# Altium PCB UZ_D_Encoder.PcbDoc (part 4 of 5) (continued)
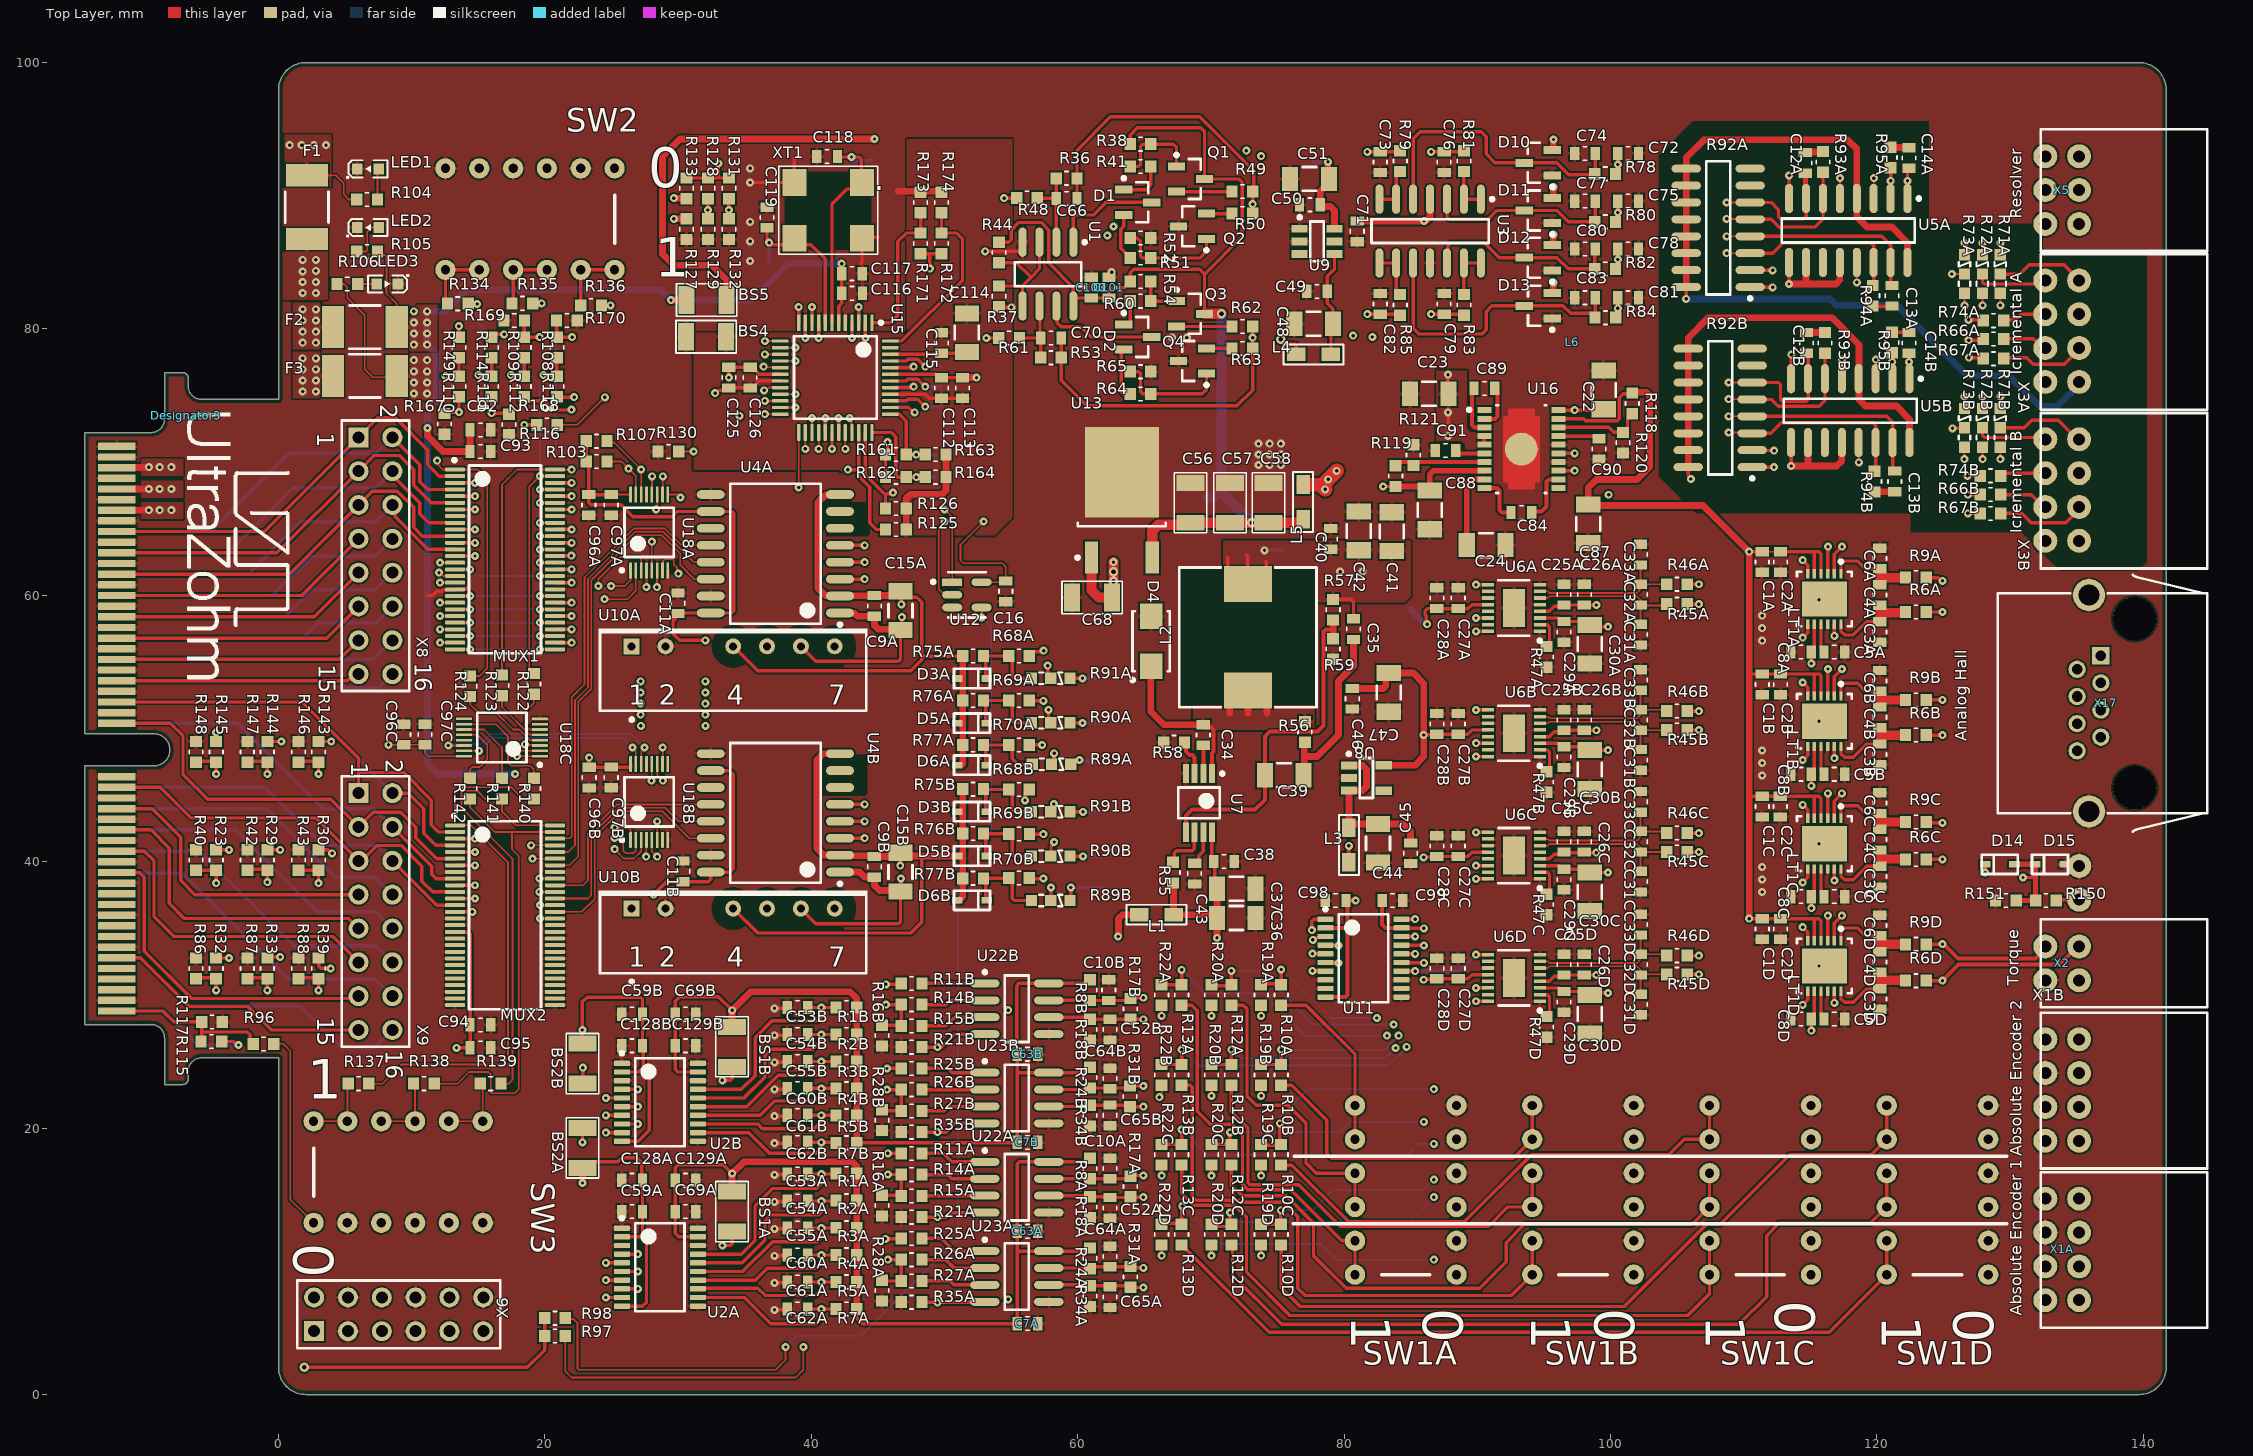
[diagram p0: Top Layer view]
## Nets (pads, with @x,y where several pads share a name; then routed paths per layer and width w, separated by ;. In a path a pad name is that pad's centre, name@x,y a point inside that pad or via, vN(x,y) a via of type N, cw(c..) or ccw(c..) an arc to the next point about the centre after c; other vN are vias at no path point) (continued)
INCRIN1A: R71A.2 X3A.1 | length 6.9
  Top Layer w0.25: R71A.2@129.272,84.105 130.72,84.105 131.445,84.83 134.048,84.83 X3A.1@135.347,83.531
INCRIN1B: R71B.2 X3B.1 | length 7.2
  Top Layer w0.25: R71B.2@129.272,72.578 131.08,72.578 131.638,73.137 133.63,73.137 134.468,72.3 134.587,72.3 135.016,71.871 135.016,71.752 X3B.1@135.458,71.31
INCRIN2A: R72A.2 X3A.2 | length 6.1
  Top Layer w0.25: R72A.2@127.925,84.105 127.925,83.527 128.072,83.381 132.646,83.381 X3A.2@133.148,83.883
INCRIN2B: R72B.2 X3B.2 | length 5.4
  Top Layer w0.25: R72B.2@127.925,72.578 127.925,72 128.072,71.853 128.325,71.853 X3B.2@132.646,71.853
INCRIN3A: R73A.2 X3A.3 | length 12.6
  Top Layer w0.127: v1(125.624,84.125) R73A.2@126.578,84.125
  Top Layer w0.25: R73A.2@126.523,84.049 R73A.2@126.578,84.105
  GND w0.254: v1(125.624,84.125) 130.275,84.125 132.015,82.385 134.224,82.385 X3A.3@135.779,80.83
INCRIN3B: R73B.2 X3B.3 | length 12.5
  Top Layer w0.25: v1(125.675,72.535) 126.535,72.535 R73B.2@126.578,72.578
  GND w0.25: v1(125.675,72.535) 129.415,72.535 131.517,70.433 133.9,70.433 X3B.3@135.639,68.693
INCRIN4A: R74A.2 X3A.4 | length 3.6
  Top Layer w0.25: R74A.2@129.388,80.692 130.425,80.692 130.843,81.11 132.507,81.11 X3A.4@132.735,80.882
INCRIN4B: R74B.2 X3B.4 | length 3.3
  Top Layer w0.25: R74B.2@129.388,68.98 129.584,69.175 X3B.4@132.646,69.175
INCRIN5A: R67A.1 X3A.5 | length 7
  Top Layer w0.25: R67A.1@129.388,77.849 131.237,77.849 131.745,77.341 134.077,77.341 X3A.5@135.546,78.81
INCRIN5B: R67B.1 X3B.5 | length 6.6
  Top Layer w0.25: R67B.1@129.388,66.155 130.872,66.155 131.572,65.455 134.197,65.455 X3B.5@135.283,66.541
INCRIN6A: R66A.1 X3A.6 | length 3.4
  Top Layer w0.25: R66A.1@129.388,79.271 131.751,79.271 X3A.6@132.451,78.57
INCRIN6B: R66B.1 X3B.6 | length 3.8
  Top Layer w0.25: R66B.1@129.388,67.555 131.573,67.555 X3B.6@132.745,66.383
LED5: LED2.2 R105.1 | length 3.2
  Top Layer w0.127: R105.1@5.87,85.819 6.57,85.819 6.645,85.893 6.645,87.306 6.956,87.617 LED2.2@7.506,87.617
LED33: LED3.2 R106.1 | length 1.4
  Top Layer w0.127: R106.1@5.931,83.38 LED3.2@7.368,83.38
LEDIN: LED1.2 R104.1 | length 2.3
  Top Layer w0.127: R104.1@7.42,89.715 7.42,91.929 LED1.2@7.506,92.015
LM5007_BST: C34.1 U7.2 | length 2.1
  Top Layer w0.3: U7.2@69.425,46.62 C34.1@69.425,48.737
LM5007_CL: C34.2 D4.1 L2.1 R56.1 U7.1 | length 19.4
  Top Layer w0.3: C34.2@69.425,50.287 69.625,50.087 70.026,50.087 70.202,49.911 70.202,48.272 70.075,48.145 U7.1@70.075,46.62
  Top Layer w0.508: D4.1@65.512,54.666 65.488,54.642 65.488,51.262 66.463,50.287 C34.2@69.425,50.287 ; 71.405,51.145 71.405,51.749 72.501,52.845 L2.1@72.775,52.845 ; 72.775,51.145 L2.1@72.775,52.845 ; 74.21,51.145 74.21,52.643 74.061,52.791 73.998,52.855 73.355,53.154 73.242,53.154 73.032,53.154 72.883,53.005 72.749,52.871 L2.1@72.775,52.845
LM5007_FB: C39.1 R57.1 R59.2 U7.5 | length 26.4
  Top Layer w0.3: U7.5@68.125,42.22 68.125,43.461 68.576,43.912 73.312,43.912 74.05,44.65 C39.1@74.05,46.495 74.05,49.398 74.415,49.763 77.993,49.763 78.452,50.222 78.452,54.651 78.448,54.655 78.448,57.269 78.624,57.445 79.175,57.445
  Top Layer w0.508: R59.2@79.175,56.745 79.175,57.445 R57.1@79.175,58.145
LM5007_RCL: R58.2 U7.3 | length 2.8
  Top Layer w0.3: R58.2@68.012,48.97 68.125,48.857 68.125,48.27 68.383,48.012 68.599,48.012 68.775,47.836 U7.3@68.775,46.62
LM5007_RON: R55.2 U7.6 | length 3.6
  Top Layer w0.254: R55.2@67.162,39.955 67.237,40.03 67.237,40.668 67.386,40.817 68.597,40.817 68.746,40.965 68.746,42.191 U7.6@68.775,42.22
LM5007_RSW: C35.2 C39.2 R56.2 | length 13.4
  Top Layer w0.5: C39.2@76.95,46.495 77,46.545 77,47.898 ; R56.2@77.05,48.97 77,48.92 77,47.898 ; C35.2@80.7,56.686 80.7,54.698 79.572,53.57 79.572,49.512 77.957,47.898 77,47.898
LM5007_VCC: C43.2 U7.7 | length 2.7
  Top Layer w0.254: C43.2@68.775,39.88 68.857,39.88 69.08,40.103 69.08,40.455 69.425,40.8 U7.7@69.425,42.22
LOT: R125.2 U12.1 U15.34 U18A.9 | length 39.9
  Top Layer w0.127: U18A.9@29.225,67.575 29.949,67.575 v1(30.171,67.353) ; v1(49.999,66.454) 50.574,65.878 U12.1@50.574,60.991
  Top Layer w0.25: U15.34@43.55,72.225 43.55,69.383 43.55,68.943 44.384,68.108 44.384,65.449 44.883,64.95 R125.2@45.568,64.95
  Top Layer w0.254: v1(42.739,69.433) 43.5,69.433 43.55,69.383
  VCC w0.127: v1(30.171,67.353) 30.171,69.628 30.298,69.756 42.368,69.756 42.692,69.433 v1(42.739,69.433) 45.099,69.433 48.078,66.454 v1(49.999,66.454) v1@50.297,66.454
LT2311_REFINA: R47A.2 U6A.2 | length 2.4
  Top Layer w0.25: U6A.2@94.691,57.804 94.701,57.794 95.269,57.794 95.416,57.647 95.416,56.374 R47A.2@95.195,56.153
LT2311_REFINB: R47B.2 U6B.2 | length 2.4
  Top Layer w0.25: U6B.2@94.691,48.398 94.701,48.388 95.269,48.388 95.416,48.241 95.416,46.968 R47B.2@95.195,46.747
LT2311_REFINC: R47C.2 U6C.2 | length 2.4
  Top Layer w0.25: U6C.2@94.691,39.212 94.701,39.202 95.269,39.202 95.416,39.055 95.416,37.782 R47C.2@95.195,37.561
LT2311_REFIND: R47D.2 U6D.2 | length 2.4
  Top Layer w0.25: U6D.2@94.691,30.026 94.701,30.016 95.269,30.016 95.416,29.869 95.416,28.596 R47D.2@95.195,28.375
N_EXC: R48.2 TP12.1 U15.39 | length 30.4
  Top Layer w0.25: U15.39@45.925,74.6 47.118,74.6 47.239,74.721 47.998,74.721 v1(48.55,74.169) ; v1(54.473,89.828) R48.2@55.413,89.828
  GND w0.25: v1(48.55,74.169) 48.483,74.102 48.483,73.684 47.989,73.19 47.531,73.19 45.896,74.825 45.896,85.976 49.748,89.828 v1(54.473,89.828)
  Bottom Layer w0.25: v1(48.55,74.169) TP12.1@49.775,74.169
N_EXC_AMP_O: D1.3 U1.1 | length 8.2
  Top Layer w0.25: U1.1@59.665,86.52 59.665,88.368 59.86,88.563 61.194,88.563 62.144,89.513 D1.3@65.561,89.513
N_EXC_DRV_IN_H: Q1.1 R38.1 R41.2 | length 6.5
  Top Layer w0.25: R41.2@63.938,92.203 64.567,92.203 64.713,92.349 64.713,93.731 64.86,93.878 R38.1@65.488,93.878 67.172,93.878 67.418,93.631 Q1.1@67.418,92.213
N_EXC_DRV_IN_L: Q2.1 R51.2 R52.1 | length 8.1
  Top Layer w0.254: R52.1@63.938,86.828 64.481,86.828 64.713,86.595 64.713,85.477 64.862,85.328 R51.2@65.488,85.328 69.143,85.328 69.673,85.858 69.673,86.072 69.663,86.082 Q2.1@69.663,86.763
N_EXC_F: C66.1 R36.1 R48.1 U1.2 | length 6.2
  Top Layer w0.25: R48.1@56.963,89.828 58.363,89.828 C66.1@58.388,89.803 ; U1.2@58.395,86.52 58.392,86.523 58.392,89.8 C66.1@58.388,89.803 ; R36.1@58.395,91.313 58.388,91.306 C66.1@58.388,89.803
N_EXC_FB_LINE_H: D1.1 R41.1 | length 3.6
  Top Layer w0.254: D1.1@63.461,90.463 65.136,90.463 65.488,90.815 R41.1@65.488,92.203
N_EXC_FB_LINE_L: D1.2 R51.1 | length 3.6
  Top Layer w0.254: D1.2@63.461,88.563 63.461,87.725 63.238,87.502 63.238,86.053 63.938,85.353 R51.1@63.938,85.328
NetMUX1_3: MUX1.3 U2B.7 | length 61.4
  Top Layer w0.25: MUX1.3@13.25,68.45 v1(14.75,68.45) ; v1(24.573,20.962) U2B.7@25.773,20.962
  GND w0.127: v1(14.75,68.45) 17.45,65.75 17.45,53.427 16.973,52.95 16.973,45.248 17.578,44.643 17.578,30.523 21.234,26.867 21.234,23.336 21.658,22.912 24.742,22.912 25.454,22.2 27.275,22.2 27.463,22.012 27.463,21.409 27.176,21.121 24.86,21.121 24.701,20.962 v1(24.573,20.962)
NetMUX1_5: MUX1.5 U2B.5 | length 53.9
  Top Layer w0.25: MUX1.5@13.25,67.45 v1(14.75,67.45) ; v1(24.573,22.262) U2B.5@25.773,22.262
  GND w0.127: v1(14.75,67.45) 17.196,65.004 17.196,53.532 16.719,53.055 16.719,45.143 17.324,44.537 17.324,30.418 20.98,26.762 20.98,23.231 21.949,22.262 v1(24.573,22.262)
NetMUX1_7: MUX1.7 U2B.6 | length 55.8
  Top Layer w0.25: MUX1.7@13.25,66.45 v1(14.75,66.45) ; U2B.6@25.773,21.612 v1(26.973,21.612)
  GND w0.127: v1(14.75,66.45) 16.942,64.258 16.942,53.637 16.465,53.16 16.465,45.038 17.07,44.432 17.07,30.313 20.726,26.657 20.726,23.125 22.239,21.612 v1(26.973,21.612)
NetMUX1_10: MUX1.10 U2B.4 | length 58
  Top Layer w0.25: MUX1.10@13.25,64.95 v1(14.75,64.95) ; U2B.4@25.773,22.912 v1(26.973,22.912)
  GND w0.127: v1(14.75,64.95) 16.688,63.012 16.688,53.743 16.211,53.266 16.211,44.932 16.816,44.327 16.816,30.207 20.472,26.552 20.472,23.02 23.021,20.472 25.106,20.472 25.502,20.867 27.281,20.867 27.717,21.304 27.717,22.167 v1(26.973,22.912)
NetMUX1_12: MUX1.12 U2B.8 | length 54.3
  Top Layer w0.25: MUX1.12@13.25,63.95 v1(14.75,63.95) ; U2B.8@25.773,20.312 v1(26.973,20.312)
  GND w0.127: v1(14.75,63.95) 16.434,62.266 16.434,53.848 15.957,53.371 15.957,44.827 16.562,44.222 16.562,30.102 20.218,26.447 20.218,22.915 22.915,20.218 26.662,20.218 26.666,20.221 26.882,20.221 v1(26.973,20.312)
NetMUX1_14: MUX1.14 U2B.9 | length 51.3
  Top Layer w0.25: MUX1.14@13.25,62.95 v1(14.75,62.95) ; v1(24.573,19.662) U2B.9@25.773,19.662
  GND w0.127: v1(14.75,62.95) 16.18,61.52 16.18,53.953 15.703,53.476 15.703,44.722 16.308,44.117 16.308,29.997 19.964,26.341 19.964,22.81 23.112,19.662 v1(24.573,19.662)
NM: R109.2 R169.2 U15.31 | length 29.5
  Top Layer w0.25: R169.2@18.468,80.638 18.443,80.613 R109.2@18.443,79.39 v1(19.594,79.39) ; U15.31@42.05,72.225 v1(42.05,73.3)
  VCC w0.127: v1(19.594,79.39) 20.623,79.39 21.113,79.88 22.246,79.88 29.571,72.556 41.306,72.556 v1(42.05,73.3)
OP_OUTA_N: LT1A.7 R46A.1 | length 11.5
  Top Layer w0.25: R46A.1@105.762,60.835 v1(106.634,60.835) ; v1(114.427,56.82) 114.8,57.193 LT1A.7@114.8,57.833
  VCC w0.25: v1(106.634,60.835) 110.412,60.835 v1(114.427,56.82)
OP_OUTA_P: LT1A.6 R45A.1 | length 11.2
  Top Layer w0.25: R45A.1@105.762,59.335 v1(106.634,59.335) ; v1(114.427,62.645) 114.8,62.272 LT1A.6@114.8,61.633
  GND w0.25: v1(106.634,59.335) 111.117,59.335 v1(114.427,62.645)
OP_OUTB_N: LT1B.7 R46B.1 | length 11.4
  Top Layer w0.25: R46B.1@105.762,51.308 v1(106.634,51.308) ; v1(114.427,47.634) 114.8,48.007 LT1B.7@114.8,48.646
  VCC w0.25: v1(106.634,51.308) 110.753,51.308 v1(114.427,47.634)
OP_OUTB_P: LT1B.6 R45B.1 | length 11.3
  Top Layer w0.25: R45B.1@105.762,49.898 v1(106.634,49.898) ; v1(114.427,53.459) 114.8,53.086 LT1B.6@114.8,52.446
  GND w0.25: v1(106.634,49.898) 110.866,49.898 v1(114.427,53.459)
OP_OUTC_N: LT1C.7 R46C.1 | length 11.4
  Top Layer w0.25: R46C.1@105.762,42.15 v1(106.634,42.15) ; v1(114.427,38.448) 114.8,38.821 LT1C.7@114.8,39.46
  VCC w0.25: v1(106.634,42.15) 110.725,42.15 v1(114.427,38.448)
OP_OUTC_P: LT1C.6 R45C.1 | length 11.3
  Top Layer w0.25: R45C.1@105.762,40.728 v1(106.634,40.728) ; v1(114.427,44.273) 114.8,43.9 LT1C.6@114.8,43.26
  GND w0.25: v1(106.634,40.728) 110.833,40.728 114.378,44.273 v1(114.427,44.273)
OP_OUTD_N: LT1D.7 R46D.1 | length 11.4
  Top Layer w0.25: R46D.1@105.762,32.949 v1(106.634,32.949) ; v1(114.427,29.262) 114.8,29.635 LT1D.7@114.8,30.274
  VCC w0.25: v1(106.634,32.949) 110.74,32.949 v1(114.427,29.262)
OP_OUTD_P: LT1D.6 R45D.1 | length 11.3
  Top Layer w0.25: R45D.1@105.762,31.549 v1(106.634,31.549) ; v1(114.427,35.087) 114.8,34.714 LT1D.6@114.8,34.074
  GND w0.25: v1(106.634,31.549) 110.889,31.549 v1(114.427,35.087)
OVCC: C8A.1 C8B.1 C8C.1 C8D.1 C27A.1 C27B.1 C27C.1 C27D.1 C28A.2 C28B.2 C28C.2 C28D.2 C46.1 C47.2 C99.1 LT1A.8 LT1B.8 LT1C.8 LT1D.8 TP17.1 U6A.12 U6B.12 U6C.12 U6D.12 U8.5 U11.19 | length 141.7
  Top Layer w0.25: v1(85.975,31.14) 86.01,31.175 86.93,31.175 C28D.2@86.965,31.209 C27D.1@88.56,31.209 89.291,31.209 89.608,31.526 U6D.12@90.791,31.526 ; v1(85.975,40.326) 86.01,40.361 86.93,40.361 C28C.2@86.965,40.395 C27C.1@88.56,40.395 89.291,40.395 89.608,40.712 U6C.12@90.791,40.712 ; v1(85.975,49.512) 86.01,49.547 86.93,49.547 C28B.2@86.965,49.581 C27B.1@88.56,49.581 89.291,49.581 89.608,49.898 U6B.12@90.791,49.898 ; v1(86.239,57.832) 86.172,57.899 86.172,58.431 86.077,58.527 86.077,58.849 86.236,59.009 86.954,59.009 C28A.2@86.965,59.019 ; C28A.2@86.965,58.987 88.56,58.987 89.291,58.987 89.608,59.304 U6A.12@90.791,59.304 ; v1(115.075,27.323) C8D.1@115.075,28.195 115.3,28.42 LT1D.8@115.3,30.274 ; v1(115.075,36.509) C8C.1@115.075,37.381 115.3,37.606 LT1C.8@115.3,39.46 ; v1(115.075,45.695) C8B.1@115.075,46.567 115.3,46.792 LT1B.8@115.3,48.646 ; v1(115.075,54.882) C8A.1@115.075,55.753 115.3,55.978 LT1A.8@115.3,57.833
  Top Layer w0.254: U11.19@84.3,35.034 84.32,35.014 85.967,35.014 v1(85.987,34.995)
  Top Layer w0.3: C99.1@82.854,37.091 82.854,35.28 83.1,35.034 U11.19@84.3,35.034
  Top Layer w0.508: C46.1@80.617,53.012 82.962,53.012 83.125,53.175 83.125,53.944 C47.2@83.342,54.162 85.196,54.162 85.975,53.383 v1(85.975,49.512) 85.975,47.898 85.314,47.237 U8.5@82.977,47.237
  GND w0.508: v1(85.975,31.14) 89.792,27.323 v1(115.075,27.323)
  VCC w0.254: v1(115.075,27.323) v1(115.075,36.509) v1(115.075,45.695) v1(115.075,54.882)
  VCC w0.508: v1(85.975,31.14) 86.737,31.902 86.737,34.995 ; v1(85.987,34.995) 86.737,34.995 ; v1(86.239,57.832) 86.229,57.822 86.229,56.77 85.975,56.516 v1(85.975,49.512) v1(85.975,40.326) 86.737,39.564 86.737,34.995
  Bottom Layer w0.508: TP17.1@84.992,58.95 86.093,57.85 86.222,57.85 v1(86.239,57.832)
P0C: R124.1 U18C.4 | length 6.9
  Top Layer w0.127: R124.1@14.375,52.401 14.375,51.826 15.025,51.176 16.349,51.176 17.599,49.926 18.069,49.926 18.869,49.126 U18C.4@19.616,49.126
P1C: R123.1 U18C.5 | length 4.6
  Top Layer w0.127: R123.1@16.766,52.473 16.766,51.622 18.862,49.526 U18C.5@19.616,49.526
P2C: R122.1 U18C.6 | length 3.8
  Top Layer w0.127: R122.1@19.158,52.582 19.158,51.907 18.527,51.276 18.527,50.221 18.822,49.926 U18C.6@19.616,49.926
P3B: U18B.7
P3C: U18C.7
P4B: U18B.9
P4C: U18C.9
P5C: R140.1 U18C.10 | length 8.5
  Top Layer w0.127: U18C.10@13.916,50.326 16.324,50.326 17.216,49.434 17.216,47.476 17.485,47.208 18.89,47.208 19.158,46.94 R140.1@19.158,46.265
P6C: R141.1 U18C.11 | length 5.7
  Top Layer w0.127: U18C.11@13.916,49.926 15.423,49.926 16.766,48.583 R141.1@16.766,46.265
P7C: R142.1 U18C.12 | length 5.4
  Top Layer w0.127: U18C.12@13.916,49.526 14.925,49.526 15.675,48.776 15.675,47.689 15.101,47.115 14.55,47.115 14.375,46.94 R142.1@14.375,46.265
PGA_ANALOG0A: R10A.1 SW1A.5 SW1A.6 | length 13.5
  Top Layer w0.254: R10A.1@75.274,29.225 77.136,29.225 80.819,25.542 SW1A.5@80.819,19.16
PGA_ANALOG0B: R10B.1 SW1B.5 SW1B.6 | length 25.7
  Top Layer w0.254: R10B.1@75.274,23.225 76.068,23.225 78.692,20.601 78.692,18.127 79.072,17.747 92.713,17.747 SW1B.5@94.126,19.16 SW1B.6@94.126,21.7
PGA_ANALOG0C: R10C.1 SW1C.5 SW1C.6 | length 39
  Top Layer w0.254: R10C.1@75.274,17.225 76.077,17.225 80.309,12.993 89.062,12.993 94.069,18 104.375,18 105.535,19.16 SW1C.5@107.433,19.16 SW1C.6@107.433,21.7
PGA_ANALOG0D: R10D.1 SW1D.5 SW1D.6 | length 57
  Top Layer w0.254: R10D.1@75.274,11.225 75.274,8.027 76.694,6.607 101.04,6.607 107.208,12.775 108.246,12.775 113.471,18 119.58,18 SW1D.5@120.74,19.16 SW1D.6@120.74,21.7
PGA_ANALOG1A: R12A.1 SW1A.3 SW1A.4 | length 22.6
  Top Layer w0.254: R12A.1@71.537,29.225 72.442,29.225 72.709,28.958 72.709,22.386 73.387,21.708 75.785,21.708 77.136,20.357 77.136,17.384 77.9,16.62 SW1A.4@80.819,16.62 SW1A.3@80.819,14.08
PGA_ANALOG1B: R12B.1 SW1B.3 SW1B.4 | length 33.7
  Top Layer w0.254: R12B.1@71.537,23.225 71.537,21.228 72.785,19.98 72.785,15.899 72.934,15.75 76.595,15.75 79.733,12.612 90.81,12.612 92.278,14.08 SW1B.3@94.126,14.08 SW1B.4@94.126,16.62
PGA_ANALOG1C: R12C.1 SW1C.3 SW1C.4 | length 48
  Top Layer w0.254: R12C.1@71.537,17.225 71.537,15.715 72.342,14.91 75.66,14.91 77.7,12.87 77.7,10.425 80.158,7.967 90.173,7.967 92.161,9.955 92.161,11.404 93.532,12.775 106.128,12.775 SW1C.3@107.433,14.08 SW1C.4@107.433,16.62
PGA_ANALOG1D: R12D.1 SW1D.3 SW1D.4 | length 61.8
  Top Layer w0.254: R12D.1@71.537,11.225 71.619,11.143 71.619,8.967 75.317,5.269 109.644,5.269 111.725,7.35 111.725,11.936 112.639,12.85 119.51,12.85 SW1D.3@120.74,14.08 SW1D.4@120.74,16.62
PGA_ANALOG2A: R13A.1 SW1A.1 SW1A.2 | length 29.5
  Top Layer w0.254: R13A.1@67.8,29.225 68.576,29.225 68.981,28.82 68.981,21.274 69.95,20.305 71.592,20.305 72.368,19.529 72.368,15.777 72.776,15.369 75.981,15.369 79.81,11.54 SW1A.2@80.819,11.54 SW1A.1@80.819,9
PGA_ANALOG2B: R13B.1 SW1B.1 SW1B.2 | length 44
  Top Layer w0.254: R13B.1@67.8,23.225 68.451,23.225 68.6,23.076 68.6,14.866 68.875,14.591 72.071,14.591 72.217,14.445 75.412,14.445 76.528,13.329 76.528,7.99 77.084,7.434 92.56,7.434 SW1B.1@94.126,9 SW1B.2@94.126,11.54
PGA_ANALOG2C: R13C.1 SW1C.1 SW1C.2 | length 52.6
  Top Layer w0.254: R13C.1@67.8,17.225 67.8,15.127 68.717,14.21 71.77,14.21 72.671,13.309 72.671,9.171 75.91,5.932 105.79,5.932 107.433,7.575 SW1C.1@107.433,9 SW1C.2@107.433,11.54
PGA_ANALOG2D: R13D.1 SW1D.1 SW1D.2 | length 60
  Top Layer w0.254: R13D.1@67.8,11.225 67.825,11.225 74.379,4.671 116.411,4.671 SW1D.1@120.74,9 SW1D.2@120.74,11.54
PGA_CAPA: C5A.1 LT1A.9 | length 2.2
  Top Layer w0.127: C5A.1@115.8,55.978 C5A.1@116.025,55.753
  Top Layer w0.25: C5A.1@115.8,55.978 LT1A.9@115.8,57.833
PGA_CAPB: C5B.1 LT1B.9 | length 2.2
  Top Layer w0.127: C5B.1@115.8,46.792 C5B.1@116.025,46.567
  Top Layer w0.25: C5B.1@115.8,46.792 LT1B.9@115.8,48.646
PGA_CAPC: C5C.1 LT1C.9 | length 2.2
  Top Layer w0.127: C5C.1@115.8,37.606 C5C.1@116.025,37.381
  Top Layer w0.25: C5C.1@115.8,37.606 LT1C.9@115.8,39.46
PGA_CAPD: C5D.1 LT1D.9 | length 2.2
  Top Layer w0.127: C5D.1@115.8,28.42 C5D.1@116.025,28.195
  Top Layer w0.25: C5D.1@115.8,28.42 LT1D.9@115.8,30.274
PGA_DIGITAL01: R19A.1 U18A.4 | length 78.1
  Top Layer w0.127: v1(27.607,60.624) 27.616,60.633 U18A.4@27.616,61.866 ; v1(73.774,28.425) 73.774,28.55 R19A.1@73.774,29.225
  VCC w0.127: v1(27.607,60.624) 27.527,60.704 27.527,64.223 27.821,64.517 28.275,64.517 28.56,64.232 28.56,61.94 31.3,59.2 31.3,42.573 34.183,39.69 43.206,39.69 50.646,32.25 59.44,32.25 60.901,30.789 65.442,30.789 66.706,29.526 72.673,29.526 v1(73.774,28.425)
PGA_DIGITAL02: R19B.1 U18A.10 | length 83.5
  Top Layer w0.127: U18A.10@28.825,67.575 28.834,67.584 28.834,68.932 v1(28.842,68.94) ; v1(73.774,22.425) 73.774,22.55 R19B.1@73.774,23.225
  VCC w0.127: v1(28.842,68.94) 28.842,66.198 27.116,64.472 27.116,60.421 27.58,59.958 28.045,59.958 29.436,59.958 30.538,58.856 30.538,57.465 30.538,42.257 33.867,38.928 42.89,38.928 50.33,31.488 59.125,31.488 67.688,22.925 73.274,22.925 v1(73.774,22.425)
PGA_DIGITAL03: R19C.1 U18B.4 | length 63.2
  Top Layer w0.127: v1(27.599,40.382) 27.608,40.39 27.608,41.623 U18B.4@27.616,41.632 ; v1(73.774,16.425) 73.774,16.55 R19C.1@73.774,17.225
  VCC w0.127: v1@27.571,40.41 v1(27.599,40.382) 28.158,40.94 28.56,40.94 29.094,40.406 29.094,40.031 31.375,37.75 32.048,37.077 32.048,36.215 33.763,34.5 46.221,34.5 49.995,30.726 58.809,30.726 63.55,25.985 63.55,19.46 63.975,19.035 65.635,17.375 72.824,17.375 v1(73.774,16.425)
PGA_DIGITAL04: R19D.1 U18B.10 | length 78.8
  Top Layer w0.127: U18B.10@28.808,47.323 U18B.10@28.816,47.332 ; U18B.10@28.825,47.34 28.832,47.347 28.832,48.576 v1(28.838,48.583) ; v1(73.774,10.425) 73.774,10.55 R19D.1@73.774,11.225
  VCC w0.127: v1(28.838,48.583) 29.41,48.011 29.41,45.962 26.482,43.035 26.482,39.63 27.369,38.743 29.304,38.743 31.286,36.761 31.286,35.899 33.447,33.738 45.905,33.738 49.679,29.964 58.493,29.964 62.788,25.669 62.788,14.655 65.903,11.54 72.659,11.54 v1(73.774,10.425)
PGA_DIGITAL11: R20A.1 U18A.5 | length 70.6
  Top Layer w0.127: U18A.5@28.025,61.875 v1@28.025,64.026 ; v1(70.037,28.425) 70.037,28.55 R20A.1@70.037,29.225
  VCC w0.127: v1@28.025,64.026 28.025,62.088 31.046,59.067 31.046,42.468 34.078,39.436 43.101,39.436 50.541,31.996 59.335,31.996 60.796,30.535 65.337,30.535 67.447,28.425 v1(70.037,28.425)
  other v1: 28.024,64.026
PGA_DIGITAL12: R20B.1 U18A.11 | length 77.3
  Top Layer w0.127: v1(28.352,66.454) 28.425,66.527 U18A.11@28.425,67.575 ; v1(70.037,22.425) 70.037,22.55 R20B.1@70.037,23.225
  VCC w0.127: v1(28.352,66.454) 28.352,66.401 26.862,64.912 26.862,60.316 27.474,59.704 29.331,59.704 30.284,58.751 30.284,57.36 30.284,42.152 33.762,38.674 42.785,38.674 50.225,31.234 59.02,31.234 67.829,22.425 v1(70.037,22.425)
PGA_DIGITAL13: R20C.1 U18B.5 | length 58
  Top Layer w0.127: U18B.5@28.016,41.632 U18B.5@28.025,41.64 28.025,40.782 v1(28.425,40.382) ; v1@70.037,16.55 R20C.1@70.037,17.225
  VCC w0.127: v1@28.416,40.347 29.512,39.251 29.515,39.251 31.794,36.972 31.794,36.109 33.657,34.246 46.116,34.246 49.89,30.472 58.704,30.472 63.296,25.88 63.296,19.355 65.53,17.121 69.341,17.121 v1(70.037,16.425)
PGA_DIGITAL14: R20D.1 U18B.11 | length 72.7
  Top Layer w0.127: U18B.11@28.416,47.332 U18B.11@28.425,47.34 28.425,46.508 v1(28.842,46.09) ; v1(70.037,10.425) 70.037,10.55 R20D.1@70.037,11.225
  VCC w0.127: v1(28.842,46.09) 26.228,43.476 26.228,39.525 27.264,38.489 29.199,38.489 31.032,36.656 31.032,35.794 33.342,33.484 45.8,33.484 49.574,29.71 58.388,29.71 62.534,25.564 62.534,14.55 65.934,11.15 69.312,11.15 v1(70.037,10.425)
PGA_DIGITAL21: R22A.1 U18A.6 | length 63.5
  Top Layer w0.127: v1(28.399,60.616) 28.408,60.625 28.408,61.858 U18A.6@28.416,61.866 ; v1(66.3,28.425) 66.3,28.55 R22A.1@66.3,29.225
  VCC w0.127: v1(28.399,60.616) 29.137,60.616 30.792,58.961 30.792,42.363 33.973,39.182 42.996,39.182 50.436,31.742 59.23,31.742 60.691,30.281 65.232,30.281 66.3,29.213 v1(66.3,28.425)
PGA_DIGITAL22: R22B.1 U18A.12 | length 77.6
  Top Layer w0.127: U18A.12@28.025,67.575 28.034,67.584 28.034,68.932 v1(28.042,68.94) ; v1(66.128,22.328) 66.128,22.438 66.3,22.61 66.3,22.625 R22B.1@66.3,23.225 R22B.1@66.3,23.3
  VCC w0.127: v1(28.042,68.94) 28.042,66.946 26.567,65.471 26.567,60.252 27.369,59.45 29.226,59.45 30.03,58.646 30.03,42.047 33.657,38.42 42.68,38.42 50.12,30.98 58.914,30.98 66.128,23.766 v1(66.128,22.328)
PGA_DIGITAL23: R22C.1 U18B.6 | length 59.8
  Top Layer w0.127: U18B.6@28.408,41.623 U18B.6@28.416,41.632 ; U18B.6@28.425,41.64 v1(28.425,43.035) ; v1(66.3,16.425) 66.3,16.55 R22C.1@66.3,17.225
  VCC w0.127: v1(28.425,43.035) 26.736,41.346 26.736,39.735 27.474,38.997 29.41,38.997 31.54,36.867 31.54,36.004 33.552,33.992 46.011,33.992 49.785,30.218 58.599,30.218 63.042,25.775 63.042,19.25 65.81,16.482 66.243,16.482 v1(66.3,16.425)
PGA_DIGITAL24: R22D.1 U18B.12 | length 68.9
  Top Layer w0.127: v1(27.999,46.082) 28.008,46.09 28.008,47.323 U18B.12@28.016,47.332 ; v1(66.3,10.425) 66.3,10.55 R22D.1@66.3,11.225
  VCC w0.127: v1(27.999,46.082) 25.974,44.057 25.974,39.419 27.159,38.235 29.094,38.235 30.778,36.551 30.778,35.688 33.236,33.23 45.695,33.23 49.469,29.456 58.283,29.456 62.28,25.459 62.28,14.445 v1(66.3,10.425)
PILOT_IN: R115.2 X16.100 | length 11.6
  Top Layer w0.254: R115.2@-4.273,26.5 -3.365,26.5 -3.105,26.239 v1(-3.011,26.239)
  Bottom Layer w0.254: X16.100@-12.153,28.791 -8.594,28.791 -6.043,26.239 v1(-3.011,26.239)
PILOT_OUT: R96.1 R115.1 R117.2 X16.99 | length 12.9
  Top Layer w0.254: X16.99@-12.153,28.791 -8.701,28.791 -7.885,27.975 R117.2@-5.773,27.975 -5.773,27.213 ; R115.1@-5.773,26.336 -5.773,27.213 ; R96.1@-1.907,26.324 -2.142,26.559 -2.142,26.995 -2.171,27.024 -2.171,27.035 -2.349,27.213 -5.773,27.213
READ_WRITE_CLOCK_SH: MUX1.28 MUX1.29 MUX2.14 U2A.9 | length 64.9
  Top Layer w0.127: MUX1.28@13.25,55.95 v1(14.383,55.95) ; v1(19.616,55.95) MUX1.29@20.75,55.95
  Top Layer w0.25: MUX2.14@13.25,36.235 v1(14.548,36.235) ; v1(24.573,7.287) U2A.9@25.773,7.287
  GND w0.127: v1(14.383,55.95) 14.359,55.926 14.359,55.534 13.238,54.413 13.238,37.545 v1(14.548,36.235) 14.548,36.126 14.75,35.924 14.75,26.079 16.127,24.702 18.353,22.476 18.353,11.622 18.427,11.548 18.502,11.473 18.576,11.399 18.651,11.324 18.725,11.25 22.688,7.287 v1(24.573,7.287)
  Bottom Layer w0.127: v1(14.383,55.95) v1(19.616,55.95)
READ_WRITE_CLOCKA: C62A.1 R7A.1 R26A.1 R27A.1 R28A.2 U2A.12 | length 23.6
  Top Layer w0.25: U2A.12@31.473,7.287 34.975,7.287 36.938,5.324 40.357,5.324 40.753,5.72 v1(40.753,6.425) ; C62A.1@39.731,6.425 v1(40.753,6.425) ; R7A.1@41.776,6.425 v1(40.753,6.425) ; R28A.2@45.313,8.573 45.358,8.528 R27A.1@46.75,8.528 R26A.1@46.75,10.123 v1(45.737,10.123)
  GND w0.25: v1(40.753,6.425) 44.451,10.123 v1(45.737,10.123)
READ_WRITE_CLOCKB: C62B.1 R7B.1 R26B.1 R27B.1 R28B.2 U2B.12 | length 23.3
  Top Layer w0.254: U2B.12@31.473,19.662 35.296,19.662 36.856,18.102 40.378,18.102 40.727,18.451 40.727,18.903 v1(40.753,18.93) ; C62B.1@39.731,18.93 v1(40.753,18.93) ; R7B.1@41.776,18.93 v1(40.753,18.93) ; R28B.2@45.313,21.368 45.388,21.293 R27B.1@46.75,21.293 R26B.1@46.75,22.889 v1(45.675,22.889)
  GND w0.254: v1(40.753,18.93) 44.712,22.889 v1(45.675,22.889)
READ_WRITE_DATA_SH: MUX1.22 MUX1.35 MUX2.7 U2A.6 | length 69.3
  Top Layer w0.127: MUX1.22@13.25,58.95 v1(14.383,58.95) ; v1(19.616,58.95) MUX1.35@20.75,58.95
  Top Layer w0.25: MUX2.7@13.25,39.735 v1(14.75,39.735) ; U2A.6@25.773,9.237 v1(26.973,9.237)
  GND w0.127: v1(14.383,58.95) 15.418,57.915 15.418,55.515 14,54.097 14,40.485 v1(14.75,39.735) 15.315,39.17 15.315,39.16 15.546,38.929 15.546,26.36 19.115,22.792 19.115,11.938 19.189,11.863 19.264,11.789 21.816,9.237 v1(26.973,9.237)
  Bottom Layer w0.127: v1(14.383,58.95) v1(19.616,58.95)
READ_WRITE_DATAA: C55A.1 R3A.1 R14A.1 R15A.1 R16A.2 U2A.15 | length 23.8
  Top Layer w0.25: U2A.15@31.473,9.237 34.863,9.237 37.098,11.472 40.452,11.472 40.753,11.773 v1(40.753,12.501) ; C55A.1@39.731,12.501 v1(40.753,12.501) ; R3A.1@41.776,12.501 v1(40.753,12.501) ; R16A.2@45.313,14.955 46.705,14.955 R15A.1@46.75,14.91 R14A.1@46.75,16.506 46.74,16.516 v1(45.737,16.516)
  GND w0.25: v1(40.753,12.501) 44.768,16.516 v1(45.737,16.516)
READ_WRITE_DATAB: C55B.1 R3B.1 R14B.1 R15B.1 R16B.2 U2B.15 | length 24
  Top Layer w0.254: U2B.15@31.473,21.612 35.145,21.612 37.509,23.976 40.461,23.976 40.753,24.268 v1(40.753,25.006) ; C55B.1@39.731,25.006 v1(40.753,25.006) ; R3B.1@41.776,25.006 v1(40.753,25.006) ; R16B.2@45.313,27.72 46.705,27.72 R15B.1@46.75,27.675 R14B.1@46.75,29.271 v1(45.599,29.271)
  GND w0.254: v1(40.753,25.006) 40.82,25.072 41.4,25.072 v1(45.599,29.271)
REF_SRC_VOUT-: C24.2 U16.9 | length 6.1
  Top Layer w0.42: C24.2@89.209,63.772 89.209,68.434 89.484,68.709 U16.9@90.532,68.709